# KiCad board jetson-agx-thor-baseboard.kicad_pcb (continued)
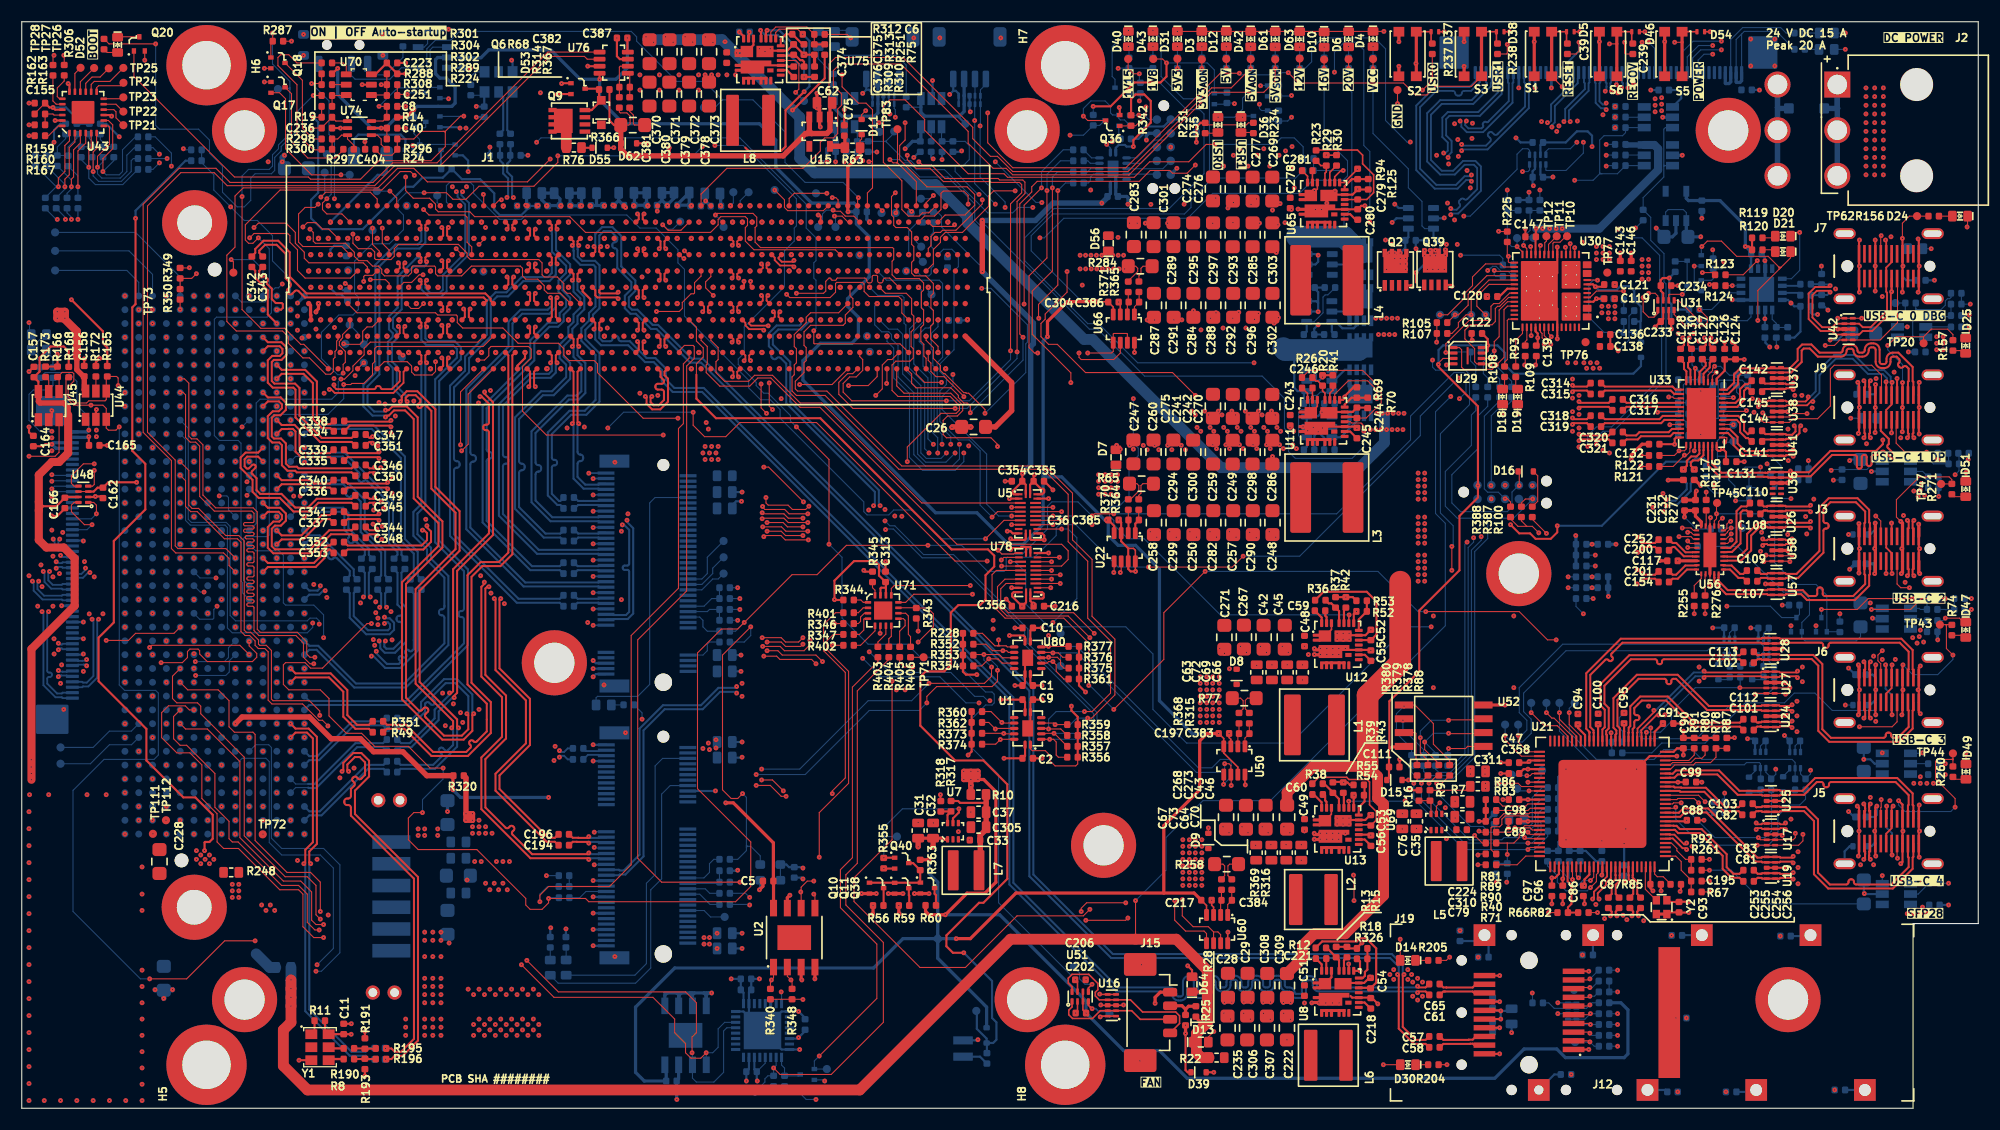
[diagram p0: board, top side]
## Nets (continued)
/Expansion connector/I2C0.SDA: J18.C31 R373.2 U1.12 U2.5
/Expansion connector/I2C7.SCL: J1.E27 J18.D24
/Expansion connector/I2C7.SDA: J1.E26 J18.D23
/Expansion connector/I2C8.SCL: J1.F52 J18.D26
/Expansion connector/I2C8.SDA: J1.F51 J18.D27
/Expansion connector/I2S2.CLK: J1.G4 J18.G06
/Expansion connector/I2S2.FS: J1.E4 J18.G07
/Expansion connector/I2S2.SDIN: J1.F6 J18.G10
/Expansion connector/I2S2.SDOUT: J1.F5 J18.G09
/Expansion connector/I2S3.CLK: J1.H16 J18.G12
/Expansion connector/I2S3.FS: J1.G18 J18.G13 TP74.1
/Expansion connector/I2S3.SDIN: J1.G19 J18.G16
/Expansion connector/I2S3.SDOUT: J1.H17 J18.G15
/Expansion connector/PCIe_{C2x1}.CLK+: J18.Z33 R201.1
/Expansion connector/PCIe_{C2x1}.CLK-: J18.Z32 R202.1
/Expansion connector/PCIe_{C2x1}.RX0+: J1.B21 R351.1
/Expansion connector/PCIe_{C2x1}.RX0-: J1.B20 R49.1
/Expansion connector/PCIe_{C2x1}.TX0+: C213.1 J1.K21
/Expansion connector/PCIe_{C2x1}.TX0-: C214.1 J1.K20
/Expansion connector/PCIe_{C2x1}.~{CLKREQ}: J1.E11 J18.C15
/Expansion connector/PCIe_{C2x1}.~{RST}: J1.D10 J18.C14
/Expansion connector/PCIe_{C3x2}.CLK+: J1.E23 J18.Y23
/Expansion connector/PCIe_{C3x2}.CLK-: J1.E22 J18.Y22
/Expansion connector/PCIe_{C3x2}.RX0+: J1.B12 J18.Y26
/Expansion connector/PCIe_{C3x2}.RX0-: J1.B13 J18.Y27
/Expansion connector/PCIe_{C3x2}.RX1+: J1.D12 J18.Y30
/Expansion connector/PCIe_{C3x2}.RX1-: J1.D13 J18.Y31
/Expansion connector/PCIe_{C3x2}.TX0+: C211.1 J1.K13
/Expansion connector/PCIe_{C3x2}.TX0-: C219.1 J1.K12
/Expansion connector/PCIe_{C3x2}.TX1+: C220.1 J1.H12
/Expansion connector/PCIe_{C3x2}.TX1-: C212.1 J1.H13
/Expansion connector/PCIe_{C3x2}.~{CLKREQ}: J1.G8 J18.C11
/Expansion connector/PCIe_{C3x2}.~{RST}: J1.J9 J18.C10
/Expansion connector/PER0_C2_N: J18.Z29 R351.2
/Expansion connector/PER0_C2_P: J18.Z28 R49.2
/Expansion connector/PET0_C2_N: C214.2 J18.Z36
/Expansion connector/PET0_C2_P: C213.2 J18.Z37
/Expansion connector/PET0_C3_N: C219.2 J18.Y34
/Expansion connector/PET0_C3_P: C211.2 J18.Y35
/Expansion connector/PET1_C3_N: C220.2 J18.Y39
/Expansion connector/PET1_C3_P: C212.2 J18.Y38
/Expansion connector/SPI1.MISO: J1.A56 J18.G21
/Expansion connector/SPI1.MOSI: J1.D55 J18.G22
/Expansion connector/SPI1.SCK: J1.J57 J18.G24
/Expansion connector/SPI1.~{CS0}: J1.E55 J18.G18
/Expansion connector/SPI1.~{CS1}: J1.B56 J18.G19
/Expansion connector/SPI2.MISO: J1.D62 J18.G28
/Expansion connector/SPI2.MOSI: J1.F60 J18.G30
/Expansion connector/SPI2.SCK: J1.E61 J18.G27
/Expansion connector/SPI2.~{CS0}: J1.D60 J18.G25
/Expansion connector/SPI3.MISO: J1.D56 J18.H32
/Expansion connector/SPI3.MOSI: J1.G56 J18.H28
/Expansion connector/SPI3.SCK: J1.F55 J18.H29
/Expansion connector/SPI3.~{CS0}: J1.C57 J18.G31
/Expansion connector/SPI3.~{CS1}: J1.E56 J18.H31
/Expansion connector/UART2.CTS: J1.A57 J18.D09
/Expansion connector/UART2.RTS: J1.G58 J18.D08
/Expansion connector/UART2.RX: J1.C56 J18.D12
/Expansion connector/UART2.TX: J1.C58 J18.D11
/Expansion connector/UART5.CTS: J1.H57 J18.D15
/Expansion connector/UART5.RTS: J1.K58 J18.D14
/Expansion connector/UART5.RX: J1.H58 J18.D18
/Expansion connector/UART5.TX: J1.J58 J18.D17
/I2C_{SYS}.SCL: J18.D21 R71.1 R100.2 R111.1 R122.2 R282.1 R377.2 TP88.1 U14.30 U22.5 U50.5 U54.5 U60.5 U66.5 U66.7 U71.12 U76.5 U80.13
/I2C_{SYS}.SDA: J18.D20 R40.1 R112.1 R121.2 R281.1 R376.2 R387.2 R388.2 TP87.1 U14.29 U22.6 U50.6 U54.6 U60.6 U60.7 U66.6 U71.13 U76.6 U80.12
/M.2/M2_E.W_DIS_1: R264.2 U5.19
/M.2/M2_E.W_DIS_2: R226.2 U5.18
/M.2/M2_E_PET0_N: C196.2 J14.35
/M.2/M2_E_PET0_P: C194.2 J14.37
/M.2/M2_E_SUSCLK: J14.50 R223.1
/M.2/M2_E_W_DIS_1: J14.56 R264.1
/M.2/M2_E_W_DIS_2: J14.54 R226.1
/M.2/M2_M_PET0_N: C185.2 J13.47
/M.2/M2_M_PET0_P: C181.2 J13.49
/M.2/M2_M_PET1_N: C186.2 J13.37
/M.2/M2_M_PET1_P: C182.2 J13.35
/M.2/M2_M_PET2_N: C187.2 J13.25
/M.2/M2_M_PET2_P: C183.2 J13.23
/M.2/M2_M_PET3_N: C188.2 J13.11
/M.2/M2_M_PET3_P: C184.2 J13.13
/M.2/M2_M_SMB_CLK: J13.40 TP38.1
/M.2/M2_M_SMB_DATA: J13.42 TP37.1
/M.2/M2_M_SUSCLK: J13.68 R212.1
/M.2/PCIe_{C1x1}.CLK+: J1.D49 J14.49
/M.2/PCIe_{C1x1}.CLK-: J1.D48 J14.47
/M.2/PCIe_{C1x1}.RX0+: J1.B33 J14.41
/M.2/PCIe_{C1x1}.RX0-: J1.B32 J14.43
/M.2/PCIe_{C1x1}.TX0+: C194.1 J1.G35
/M.2/PCIe_{C1x1}.TX0-: C196.1 J1.G34
/M.2/PCIe_{C1x1}.~{CLKREQ}: J1.B37 R215.1
/M.2/PCIe_{C1x1}.~{RST}: J1.B36 R214.1
/M.2/PCIe_{C5x4}.CLK+: J1.F32 J13.53
/M.2/PCIe_{C5x4}.CLK-: J1.F33 J13.55
/M.2/PCIe_{C5x4}.RX0+: J1.D24 J13.43
/M.2/PCIe_{C5x4}.RX0-: J1.D25 J13.41
/M.2/PCIe_{C5x4}.RX1+: J1.B25 J13.29
/M.2/PCIe_{C5x4}.RX1-: J1.B24 J13.31
/M.2/PCIe_{C5x4}.RX2+: J1.C27 J13.17
/M.2/PCIe_{C5x4}.RX2-: J1.C26 J13.19
/M.2/PCIe_{C5x4}.RX3+: J1.A26 J13.7
/M.2/PCIe_{C5x4}.RX3-: J1.A27 J13.5
/M.2/PCIe_{C5x4}.TX0+: C181.1 J1.H24
/M.2/PCIe_{C5x4}.TX0-: C185.1 J1.H25
/M.2/PCIe_{C5x4}.TX1+: C182.1 J1.K25
/M.2/PCIe_{C5x4}.TX1-: C186.1 J1.K24
/M.2/PCIe_{C5x4}.TX2+: C183.1 J1.G27
/M.2/PCIe_{C5x4}.TX2-: C187.1 J1.G26
/M.2/PCIe_{C5x4}.TX3+: C184.1 J1.J26
/M.2/PCIe_{C5x4}.TX3-: C188.1 J1.J27
/M.2/PCIe_{C5x4}.~{CLKREQ}: J1.L19 R207.1
/M.2/PCIe_{C5x4}.~{RST}: J1.L18 R206.1
/M.2/SUSCLK: R212.2 R223.2 Y3.3
/M.2/USB3.D+: J1.G11 R218.1
/M.2/USB3.D-: J1.G10 R219.1
/M.2/WIFI_BT_USB_D_N: J14.5 R219.2
/M.2/WIFI_BT_USB_D_P: J14.3 R218.2
/M.2/~{CLKREQ_E}: J14.53 R215.2 R220.1
/M.2/~{CLKREQ_M}: J13.52 R207.2 R210.2
/M.2/~{LED_1}: D33.1 J14.6
/M.2/~{LED_2}: D34.1 J14.16
/M.2/~{M2_E_ALERT}: J14.62 TP39.1
/M.2/~{M2_M_ALERT}: J13.44 TP36.1
/M.2/~{PERST_E}: J14.52 R203.1 R214.2
/M.2/~{PERST_M}: J13.50 R206.2 R209.2
/M.2/~{PEWAKE_E}: J14.55 R216.2
/M.2/~{PEWAKE_M}: J13.54 R208.2
/M.2/~{PEWAKE}: J1.A8 Q3.1 R208.1 R216.1 R286.2
/Peripherals/FAN_PWM: J1.K62 TP89.1 U51.5
/Peripherals/FAN_PWM_5V: J15.4 U16.4 U16.7 U51.8
/Peripherals/FAN_TACH: J1.E54 TP90.1 U51.4
/Peripherals/FAN_TACH_5V: J15.3 U16.2 U16.9 U51.1
/Peripherals/FAN_VDD: J15.2 R25.2 R28.2
/Peripherals/GPIO_EXP_IRQ: R343.1 U5.14 U71.11
/Peripherals/GPIOEX_P0_0: R401.1 U71.2
/Peripherals/GPIOEX_P0_1: R346.1 U71.3
/Peripherals/GPIOEX_P0_2: R347.1 U71.4
/Peripherals/GPIOEX_P0_3: R402.1 U71.5
/Peripherals/GPIOEX_P0_4: R403.1 U71.7
/Peripherals/GPIOEX_P0_5: R404.1 U71.8
/Peripherals/GPIOEX_P0_6: R405.1 U71.9
/Peripherals/GPIOEX_P0_7: R406.1 U71.10
/Peripherals/I2C_CONN1_3V3: J16.2 R242.2 TP93.1 U53.1 U67.4 U67.7
/Peripherals/I2C_CONN2_3V3: J17.2 R246.2 TP94.1 U55.1 U68.4 U68.7
/Peripherals/I2C_CONN_PEN: R235.1 R236.2 R243.1 R244.2 R405.2 TP97.1 U53.4 U55.4
/Peripherals/I2C_{CONN}.SCL: J16.4 J17.4 R375.2 U67.1 U67.10 U68.1 U68.10 U80.11
/Peripherals/I2C_{CONN}.SDA: J16.3 J17.3 R361.2 U67.2 U67.9 U68.2 U68.9 U80.10
/Peripherals/TPM_IRQ: R230.1 R404.2 TP96.1 U14.18
/Peripherals/TPM_RST: Q1.1 R403.2 TP95.1
/Power/USBPD1_HV: C38.2 C136.1 C138.1 C265.2 Q5.5 Q24.1 Q24.2 Q24.3 TP76.1 U30.1 U61.1 U63.6
/Power/USBPD2_HV: C143.1 C146.1 C240.2 C266.2 Q23.5 Q25.1 Q25.2 Q25.3 TP77.1 U30.11 U62.1 U64.6
/Recovery USB/USB0.D+: J1.F12 J3.A6 J3.B6 U58.1 U58.10
/Recovery USB/USB0.D-: J1.F13 J3.A7 J3.B7 U58.2 U58.9
/Recovery USB/USBC2_ADDR: R252.1 R253.2 U56.22
/Recovery USB/USBC2_CC1: J3.A5 U56.2 U58.5 U58.6
/Recovery USB/USBC2_CC2: J3.B5 U56.1 U58.4 U58.7
/Recovery USB/USBC2_CONN_TX1_N: C107.1 J3.A2 U57.4 U57.7
/Recovery USB/USBC2_CONN_TX1_P: C109.1 J3.A3 U57.5 U57.6
/Recovery USB/USBC2_CONN_TX2_N: C108.1 J3.B3 U26.4 U26.7
/Recovery USB/USBC2_CONN_TX2_P: C110.1 J3.B2 U26.5 U26.6
/Recovery USB/USBC2_DIR: R255.1 U56.11
/Recovery USB/USBC2_FAULT_N: R256.1 TP46.1 U56.24
/Recovery USB/USBC2_I2C_SCL: R280.2 R282.2 U56.26
/Recovery USB/USBC2_I2C_SDA: R279.2 R281.2 U56.25
/Recovery USB/USBC2_I_MODE: R278.1 U56.3
/Recovery USB/USBC2_ID: Q19.1 R266.2 TP45.1 U56.27 U78.16
/Recovery USB/USBC2_ISET: R270.2 U23.5
/Recovery USB/USBC2_PEN: R339.1 U78.17
/Recovery USB/USBC2_PORT: R254.2 U56.4
/Recovery USB/USBC2_RX1_N: J3.B10 U56.14 U57.1 U57.10
/Recovery USB/USBC2_RX1_P: J3.B11 U56.15 U57.2 U57.9
/Recovery USB/USBC2_RX2_N: J3.A11 U26.1 U26.10 U56.18
/Recovery USB/USBC2_RX2_P: J3.A10 U26.2 U26.9 U56.19
/Recovery USB/USBC2_TX1_N: C107.2 U56.16
/Recovery USB/USBC2_TX1_P: C109.2 U56.17
/Recovery USB/USBC2_TX2_N: C108.2 U56.20
/Recovery USB/USBC2_TX2_P: C110.2 U56.21
/Recovery USB/USBC2_VBUS: C115.1 C116.1 D50.1 J3.A4 J3.A9 J3.B4 J3.B9 Q15.1 R267.2 R271.2 TP47.1 U23.1
/Recovery USB/USBC2_VBUS_DET: Q15.3 R338.2 U78.14
/Recovery USB/USBC2_VBUS_DET_MUX: R267.1 U56.5
/Recovery USB/USBSS0.RX+: C154.1 J1.C34
/Recovery USB/USBSS0.RX-: C201.1 J1.C35
/Recovery USB/USBSS0.TX+: C200.1 J1.K32
/Recovery USB/USBSS0.TX-: C252.1 J1.K33
/Recovery USB/USBSS_RX_N: C154.2 U56.10
/Recovery USB/USBSS_RX_P: C201.2 U56.9
/Recovery USB/USBSS_TX_N: C200.2 U56.7
/Recovery USB/USBSS_TX_P: C252.2 U56.6
/Recovery USB/~{USBC2_EN_CC}: R277.2 U56.29
/Recovery USB/~{USBC2_EN_MUX}: R276.2 U56.12
/Recovery USB/~{USBC2_INT_R}: R283.2 U56.23
/Recovery USB/~{USBC2_INT}: R283.1 U78.15
/SFP/I2C_{SFP}.SCL: R186.1 R360.2 U1.10
/SFP/I2C_{SFP}.SDA: R185.1 R362.2 U1.11
/SFP/MOD_ABS: J1.G6 R187.1
/SFP/SCL_SFP: J12.5 R186.2 U73.2 U73.9
/SFP/SDA_SFP: J12.4 R185.2 U73.1 U73.10
/SFP/SFI.RX+: C61.2 J1.D28
/SFP/SFI.RX-: C65.2 J1.D29
/SFP/SFI.TX+: C57.2 J1.H28
/SFP/SFI.TX-: C58.2 J1.H29
/SFP/SFI_CONN_RX_N: C65.1 J12.12
/SFP/SFI_CONN_RX_P: C61.1 J12.13
/SFP/SFI_CONN_TX_N: C58.1 J12.19
/SFP/SFI_CONN_TX_P: C57.1 J12.18
/SFP/SFP_LEDG: R205.1 U78.19
/SFP/SFP_LEDY: R204.1 U78.20
/SFP/SFP_MOD_ABS: J12.6 R187.2 R197.1 U73.4 U73.7
/SFP/SH: C169.2 C172.2 C173.2 C174.2 C175.2 C176.2 C177.2 C178.2 C179.2 J19.SH R200.2
/SoM_IO2/C2_CLK+: R8.1 Y1.4
/SoM_IO2/C2_CLK-: R190.1 Y1.5
/SoM_IO2/C2_REFCLK+: R8.2 R193.2 R196.1
/SoM_IO2/C2_REFCLK-: R190.2 R191.2 R195.1
/SoM_IO2/DP0.AUX+: C322.2 R117.1 U33.24
/SoM_IO2/DP0.AUX-: C323.2 R116.1 U33.25
/SoM_IO2/DP0.AUX_C+: C322.1 J1.G53
/SoM_IO2/DP0.AUX_C-: C323.1 J1.G54
/SoM_IO2/DP0.HPD: J1.K50 R118.1
/SoM_IO2/DP0.TX0+: C314.1 U33.9
/SoM_IO2/DP0.TX0-: C315.1 U33.10
/SoM_IO2/DP0.TX0_C+: C314.2 J1.D51
/SoM_IO2/DP0.TX0_C-: C315.2 J1.D52
/SoM_IO2/DP0.TX1+: C316.1 U33.12
/SoM_IO2/DP0.TX1-: C317.1 U33.13
/SoM_IO2/DP0.TX1_C+: C316.2 J1.B51
/SoM_IO2/DP0.TX1_C-: C317.2 J1.B52
/SoM_IO2/DP0.TX2+: C318.1 U33.15
/SoM_IO2/DP0.TX2-: C319.1 U33.16
/SoM_IO2/DP0.TX2_C+: C318.2 J1.A51
/SoM_IO2/DP0.TX2_C-: C319.2 J1.A50
/SoM_IO2/DP0.TX3+: C320.1 U33.18
/SoM_IO2/DP0.TX3-: C321.1 U33.19
/SoM_IO2/DP0.TX3_C+: C320.2 J1.C51
/SoM_IO2/DP0.TX3_C-: C321.2 J1.C50
/SoM_IO2/DP1.AUX_C+: C332.1 J1.D16
/SoM_IO2/DP1.AUX_C-: C333.1 J1.D17
/SoM_IO2/DP1.TX0_C+: C324.2 J1.H49
/SoM_IO2/DP1.TX0_C-: C328.2 J1.H48
/SoM_IO2/DP1.TX1_C+: C325.2 J1.G51
/SoM_IO2/DP1.TX1_C-: C329.2 J1.G50
/SoM_IO2/DP1.TX2_C+: C326.2 J1.J47
/SoM_IO2/DP1.TX2_C-: C330.2 J1.J48
/SoM_IO2/DP1.TX3_C+: C327.2 J1.K46
/SoM_IO2/DP1.TX3_C-: C331.2 J1.K47
/SoM_IO2/DP2.AUX_C+: C342.1 J1.E19
/SoM_IO2/DP2.AUX_C-: C343.1 J1.E18
/SoM_IO2/DP2.TX0_C+: C334.2 J1.A15
/SoM_IO2/DP2.TX0_C-: C338.2 J1.A14
/SoM_IO2/DP2.TX1_C+: C335.2 J1.J14
/SoM_IO2/DP2.TX1_C-: C339.2 J1.J15
/SoM_IO2/DP2.TX2_C+: C336.2 J1.C15
/SoM_IO2/DP2.TX2_C-: C340.2 J1.C14
/SoM_IO2/DP2.TX3_C+: C337.2 J1.G15
/SoM_IO2/DP2.TX3_C-: C341.2 J1.G14
/SoM_IO2/DP3.AUX_C+: C352.1 J1.F20
/SoM_IO2/DP3.AUX_C-: C353.1 J1.F21
/SoM_IO2/DP3.TX0_C+: C344.2 J1.D33
/SoM_IO2/DP3.TX0_C-: C348.2 J1.D32
/SoM_IO2/DP3.TX1_C+: C345.2 J1.J35
/SoM_IO2/DP3.TX1_C-: C349.2 J1.J34
/SoM_IO2/DP3.TX2_C+: C346.2 J1.A34
/SoM_IO2/DP3.TX2_C-: C350.2 J1.A35
/SoM_IO2/DP3.TX3_C+: C347.2 J1.H32
/SoM_IO2/DP3.TX3_C-: C351.2 J1.H33
/SoM_IO2/JTAG_TCK: J1.A60 R292.2
/SoM_IO2/JTAG_TDI: J1.B60 R293.2
/SoM_IO2/JTAG_TDO: J1.D58 R295.2
/SoM_IO2/JTAG_TMS: J1.E58 R294.2
/SoM_IO2/JTAG_TRST_N: J1.G61 Q28.3 R285.1
/SoM_IO2/NVDBG_SEL: J1.G60 R291.2
/SoM_IO2/NVJTAG_SEL: J1.H59 R290.2
/SoM_IO2/PCIe_{C2x1}R_CLK+: J1.E15 R196.2 R201.2
/SoM_IO2/PCIe_{C2x1}R_CLK-: J1.E14 R195.2 R202.2
/SoM_IO2/SFI_CLK+: R2.1 Y5.4
/SoM_IO2/SFI_CLK-: R3.1 Y5.5
/SoM_IO2/SFI_REFCLK+: J1.F29 R2.2 R5.2
/SoM_IO2/SFI_REFCLK-: J1.F28 R3.2 R4.2
/SoM_IO2/TC_JTAG_TCK: J20.4 U59.4
/SoM_IO2/TC_JTAG_TDI: J20.8 U59.3
/SoM_IO2/TC_JTAG_TDO: J20.6 U59.5
/SoM_IO2/TC_JTAG_TMS: J20.2 U59.2
/SoM_IO2/TC_JTAG_TRST_N: J20.10 Q36.1 R342.1
/SoM_IO2/TC_VCC: C237.2 J20.1 R341.1 R342.2 U59.1
/SoM_IO2/USB1.D+: J1.C11 J9.A6 J9.B6 U38.2 U38.9
/SoM_IO2/USB1.D-: J1.C10 J9.A7 J9.B7 U38.1 U38.10
/SoM_IO2/USB2.D+: J1.A10 U21.89
/SoM_IO2/USB2.D-: J1.A11 U21.90
/SoM_IO2/USBSS1.RX+: C127.1 J1.A22
/SoM_IO2/USBSS1.RX-: C129.1 J1.A23
/SoM_IO2/USBSS1.TX+: C130.1 J1.J22
/SoM_IO2/USBSS1.TX-: C128.1 J1.J23
/SoM_IO2/USBSS2.RX+: C253.1 J1.C23
/SoM_IO2/USBSS2.RX-: C255.1 J1.C22
/SoM_IO2/USBSS2.TX+: C254.1 J1.G23
/SoM_IO2/USBSS2.TX-: C256.1 J1.G22
/SoM_IO/GPIO_EXP_IRQ_1V8: J1.E5 U5.8
/SoM_IO/I2C0_SCL_1V8: J1.J52 R357.2 U1.3
/SoM_IO/I2C0_SDA_1V8: J1.J53 R356.2 U1.2
/SoM_IO/I2C1_SCL_1V8: J1.K5 TP103.1
/SoM_IO/I2C1_SDA_1V8: J1.L8 TP104.1
/SoM_IO/I2C2_SCL_1V8: J1.J61 R228.2 U80.2
/SoM_IO/I2C2_SDA_1V8: J1.K61 R352.2 U80.3
/SoM_IO/I2C3_SCL_1V8: J1.F53 R359.2 U1.5
/SoM_IO/I2C3_SDA_1V8: J1.E53 R358.2 U1.4
/SoM_IO/I2C5_SCL_1V8: J1.A53 R353.2 U80.4
/SoM_IO/I2C5_SDA_1V8: J1.C53 R354.2 U80.5
/SoM_IO/I2S_{M.2}.CLK: J1.L14 TP99.1
/SoM_IO/I2S_{M.2}.FS: J1.D8 TP100.1
/SoM_IO/I2S_{M.2}.SDIN: J1.H8 TP102.1
/SoM_IO/I2S_{M.2}.SDOUT: J1.C7 TP101.1
/SoM_IO/M2_E_W_DIS_1_1V8: J1.C39 U5.3
/SoM_IO/M2_E_W_DIS_2_1V8: J1.A58 U5.4
/SoM_IO/SFP_LEDG_1V8: J1.F56 U78.3
/SoM_IO/SFP_LEDY_1V8: J1.A18 U78.2
/SoM_IO/UART1.CTS: J1.H54 TP106.1
/SoM_IO/UART1.RTS: J1.L51 TP105.1
/SoM_IO/UART1.RX: J1.K54 TP108.1
/SoM_IO/UART1.TX: J1.K53 TP107.1
/SoM_IO/UART3_DEBUG.RX: R124.1 U5.16
/SoM_IO/UART3_DEBUG.TX: R123.1 U5.17
/SoM_IO/UART3_DEBUG_RX_1V8: J1.K60 U5.6
/SoM_IO/UART3_DEBUG_TX_1V8: J1.H62 U5.5
/SoM_IO/USBC1_FLG: R127.1 U5.15 U35.3
/SoM_IO/USBC1_FLG_1V8: J1.L15 U5.7
/SoM_IO/USBC2_ID_1V8: J1.F10 U78.6
/SoM_IO/USBC2_PEN_1V8: J1.F9 U78.5
/SoM_IO/USBC2_VBUS_DET_1V8: J1.J6 U78.8
/SoM_IO/~{PDC_I2C1_IRQ}: R110.1 U78.13
/SoM_IO/~{PDC_I2C1_IRQ}_1V8: J1.J7 U78.9
/SoM_IO/~{USBC2_INT}_1V8: J1.C38 U78.7
/SoM_Power/MODULE_POWER_ON: C8.2 J1.L54 R14.1 TP79.1 U74.6
/SoM_Power/~{FORCE_RECOVERY}: C239.2 D46.2 J1.L10 S6.1 S6.2 TP81.1
/SoM_Power/~{FORCE_SHDN}: R297.2 R298.2 R300.1 U74.3
/SoM_Power/~{MOD_SLEEP}: J1.J60 TP55.1
/SoM_Power/~{MODULE_SHDN}: J1.L52 Q17.2 TP82.1
/SoM_Power/~{SLEEP_REQ}: J1.L11 TP54.1
/SoM_Power/~{SOM_POWER_BTN}: J1.L61 R302.2 R304.1 TP80.1
/SoM_Power/~{SOM_PRSNT}: J1.A3 Q18.1 R287.1 TP84.1
/SoM_Power/~{SYS_RESET}: C39.2 D5.2 J1.L60 S1.3 S1.4 TP83.1
/USB Debug, PD/DEBUG_SCL: R103.2 R111.2 TP92.1 U30.27 U31.1
/USB Debug, PD/DEBUG_SDA: R104.2 R112.2 TP91.1 U30.28 U31.8
/USB Debug, PD/FTDI_3V3: C44.1 C133.1 C134.1 C135.2 C233.1 C234.1 R113.2 R114.2 R115.2 R119.2 R120.2 R145.1 U31.3 U31.7 U32.5 U34.1 U34.8 U34.10
/USB Debug, PD/FTDI_CBUS0/SDA: R114.1 U31.5 U34.12
/USB Debug, PD/FTDI_CBUS3/SCL: R113.1 U31.4 U34.14
/USB Debug, PD/FTDI_CBUS_EN: Q3.3 Q12.3 R115.1 U31.6
/USB Debug, PD/FTDI_LED_RX: D21.1 Q12.1 U34.11
/USB Debug, PD/FTDI_LED_TX: D20.1 U34.5
/USB Debug, PD/MISO: J4.6 R384.1 R386.1 R387.1
/USB Debug, PD/MOSI: J4.8 R101.1 R382.1 R388.1
/USB Debug, PD/PDC_ADCIN1: R31.2 R95.2 U30.6
/USB Debug, PD/PDC_ADCIN2: R96.2 R97.2 U30.10
/USB Debug, PD/PDC_GPIO14: R108.1 U30.42
/USB Debug, PD/PDC_GPIO15: R109.1 U30.43
/USB Debug, PD/PDC_HPD2: R106.2 U30.31
/USB Debug, PD/PDC_I2C1_IRQn: R110.2 R225.2 U30.29
/USB Debug, PD/PDC_I2C2_IRQn: TP13.1 U30.34
/USB Debug, PD/PDC_I2C2_SCL: R105.2 TP14.1 U30.32
/USB Debug, PD/PDC_I2C2_SDA: R107.2 TP15.1 U30.33
/USB Debug, PD/PDC_I2C3_SCL: TP10.1 U30.21
/USB Debug, PD/PDC_I2C3_SDA: TP11.1 U30.22
/USB Debug, PD/PDC_LDO_1V8: C120.2 U30.35
/USB Debug, PD/PDC_LDO_3V3: C121.2 D17.2 R95.1 R96.1 U30.9
/USB Debug, PD/PDC_MISO: R98.1 R384.2 U29.2 U30.36
/USB Debug, PD/PDC_MOSI: R382.2 U29.5 U30.37
/USB Debug, PD/PDC_RESET: R93.2 U30.44
/USB Debug, PD/PDC_SCLK: R383.2 U29.6 U30.38
/USB Debug, PD/SCK: D16.1 J4.4 R383.1 R385.1
/USB Debug, PD/SPI_{HUB_DEBUG}.MISO: R88.2 R386.2 U52.5
/USB Debug, PD/SPI_{HUB_DEBUG}.MOSI: R101.2 R378.2 U52.2
/USB Debug, PD/SPI_{HUB_DEBUG}.SCK: R89.2 R385.2 U52.6
/USB Debug, PD/SPI_{HUB_DEBUG}.~{CS0}: R90.2 R99.2 U52.1
/USB Debug, PD/USB_FTDI_N: R148.1 U34.7
/USB Debug, PD/USB_FTDI_P: R147.1 U34.6
/USB Debug, PD/USBC0_5V_PEN: R149.1 R151.1 U30.48
/USB Debug, PD/USBC0_CC1: J7.A5 U30.24 U42.1 U42.10
/USB Debug, PD/USBC0_CC2: J7.B5 U30.26 U42.5 U42.6
/USB Debug, PD/USBC0_D_N: C149.2 J7.A7 J7.B7 R148.2 U42.2 U42.9
/USB Debug, PD/USBC0_D_P: C150.1 J7.A6 J7.B6 R147.2 U42.4 U42.7
/USB Debug, PD/USBC0_FLG: R150.1 TP19.1 U40.3
/USB Debug, PD/USBC0_ISET: R153.2 U40.5
/USB Debug, PD/USBC0_VBUS: C123.1 C151.1 C152.1 D23.1 J7.A4 J7.A9 J7.B4 J7.B9 R156.2 TP62.1 U30.13 U32.1 U32.3 U40.1
/USB Debug, PD/~{CS}: J4.2 R99.1 R381.1
/USB Debug, PD/~{PDC_CS}: R381.2 U29.1 U30.39
/USB Debug, PD/~{PDC_I2C3_IRQ}: TP12.1 U30.23
/USB DP Alt mode/HPDIN: Q34.1 R227.2 R272.1 TP17.1 U33.32
/USB DP Alt mode/USBC1_5V_PEN: R142.1 R143.1 U30.49
/USB DP Alt mode/USBC1_CC1: J9.A5 U30.45 U38.5 U38.6
/USB DP Alt mode/USBC1_CC2: J9.B5 U30.47 U38.4 U38.7
/USB DP Alt mode/USBC1_CONN_TX1_N: C144.2 J9.A3 U41.5 U41.6
/USB DP Alt mode/USBC1_CONN_TX1_P: C141.2 J9.A2 U41.4 U41.7
/USB DP Alt mode/USBC1_CONN_TX2_N: C145.2 J9.B3 U37.1 U37.10
/USB DP Alt mode/USBC1_CONN_TX2_P: C142.2 J9.B2 U37.2 U37.9
/USB DP Alt mode/USBC1_CTL0: R121.1 U30.17 U33.22
/USB DP Alt mode/USBC1_CTL1: U30.18 U33.23
/USB DP Alt mode/USBC1_DPEQ0: R134.1 R135.1 U33.14
/USB DP Alt mode/USBC1_DPEQ1: R136.1 R137.1 U33.2
/USB DP Alt mode/USBC1_EQ0: R138.1 R139.1 U33.38
/USB DP Alt mode/USBC1_EQ1: R140.1 R141.1 U33.35
/USB DP Alt mode/USBC1_FLIP: R122.1 U30.16 U33.21
/USB DP Alt mode/USBC1_I2C_EN: R128.1 R129.1 U33.17
/USB DP Alt mode/USBC1_RX1_N: J9.B10 U33.31 U41.2 U41.9
/USB DP Alt mode/USBC1_RX1_P: J9.B11 U33.30 U41.1 U41.10
/USB DP Alt mode/USBC1_RX2_N: J9.A10 U33.39 U37.4 U37.7
/USB DP Alt mode/USBC1_RX2_P: J9.A11 U33.40 U37.5 U37.6
/USB DP Alt mode/USBC1_SBU_N: J9.A8 R154.1 U33.27 U36.1 U36.10
/USB DP Alt mode/USBC1_SBU_P: J9.B8 R155.1 U33.26 U36.2 U36.9
/USB DP Alt mode/USBC1_SSEQ0: R130.1 R131.1 U33.11
/USB DP Alt mode/USBC1_SSEQ1: R132.1 R133.1 U33.3
/USB DP Alt mode/USBC1_TX1_N: C144.1 U33.34
/USB DP Alt mode/USBC1_TX1_P: C141.1 U33.33
/USB DP Alt mode/USBC1_TX2_N: C145.1 U33.36
/USB DP Alt mode/USBC1_TX2_P: C142.1 U33.37
/USB DP Alt mode/USBC1_VBUS: C68.1 C153.1 D22.1 J9.A4 J9.A9 J9.B4 J9.B9 R157.2 TP20.1 U30.3 U35.1
/USB DP Alt mode/USBC_HPD: R106.1 R227.1
/USB DP Alt mode/USBSS1_RX_C_N: C129.2 U33.4
/USB DP Alt mode/USBSS1_RX_C_P: C127.2 U33.5
/USB DP Alt mode/USBSS1_TX_C_N: C130.2 U33.7
/USB DP Alt mode/USBSS1_TX_C_P: C128.2 U33.8
/USB Hub/CFG_STRAP1: R78.2 R87.1 U21.21
/USB Hub/CFG_STRAP2: R80.2 U21.22
/USB Hub/CFG_STRAP3: R91.2 U21.23
/USB Hub/DP1_DISCH: TP66.1 U21.46
/USB Hub/DP1_VCONN1: Q27.2 R334.1 TP67.1 U21.43
/USB Hub/DP1_VCONN2: Q29.2 R335.1 TP68.1 U21.44
/USB Hub/DP2_DISCH: TP65.1 U21.45
/USB Hub/DP2_VCONN1: Q21.2 R328.1 TP69.1 U21.51
/USB Hub/DP2_VCONN2: Q26.2 R329.1 TP70.1 U21.52
/USB Hub/HUB_SPI_CE_N: R90.1 R321.1 R322.2 U21.69
/USB Hub/HUB_SPI_CLK: R89.1 R325.2 U21.68
/USB Hub/HUB_SPI_D0: R88.1 R323.1 R324.2 U21.70
/USB Hub/HUB_SPI_D1: R327.2 R378.1 U21.71
/USB Hub/HUB_SPI_D2: R239.2 R379.1 U21.72
/USB Hub/HUB_SPI_D3: R194.2 R380.1 U21.73
/USB Hub/HUB_~{HOLD}: R380.2 U52.7
/USB Hub/HUB_~{WP}: R379.2 U52.3
/USB Hub/PRT_CTL1: TP1.1 U20.3 U20.4 U21.60
/USB Hub/PRT_CTL2: TP2.1 U18.3 U18.4 U21.58
/USB Hub/PRT_CTL3: TP6.1 U21.56
/USB Hub/PRT_CTL4: TP40.1 U21.59
/USB Hub/TEST1: R86.2 U21.63
/USB Hub/TEST2: R83.2 U21.64
/USB Hub/TEST3: R81.2 U21.65
/USB Hub/USBC3_CC_{1}: J6.A5 R330.2 U21.27 U28.5 U28.6
/USB Hub/USBC3_CC_{2}: J6.B5 R331.2 U21.28 U28.4 U28.7
/USB Hub/USBC3_CONN_TX1_N: C101.1 J6.A3 U24.1 U24.10
/USB Hub/USBC3_CONN_TX1_P: C112.1 J6.A2 U24.2 U24.9
/USB Hub/USBC3_CONN_TX2_N: C102.1 J6.B2 U27.1 U27.10
/USB Hub/USBC3_CONN_TX2_P: C113.1 J6.B3 U27.2 U27.9
/USB Hub/USBC3_D+: J6.A6 J6.B6 U21.29 U28.2 U28.9
/USB Hub/USBC3_D-: J6.A7 J6.B7 U21.30 U28.1 U28.10
/USB Hub/USBC3_ISET: R73.2 U18.5
/USB Hub/USBC3_RX_{1}+: J6.B10 U21.34 U24.4 U24.7
/USB Hub/USBC3_RX_{1}-: J6.B11 U21.35 U24.5 U24.6
/USB Hub/USBC3_RX_{2}+: J6.A10 U21.40 U27.4 U27.7
/USB Hub/USBC3_RX_{2}-: J6.A11 U21.41 U27.5 U27.6
/USB Hub/USBC3_TX_{1}+: C101.2 U21.31
/USB Hub/USBC3_TX_{1}-: C112.2 U21.32
/USB Hub/USBC3_TX_{2}+: C102.2 U21.37
/USB Hub/USBC3_TX_{2}-: C113.2 U21.38
/USB Hub/USBC3_VBUS: C78.1 C80.1 D45.1 J6.A4 J6.A9 J6.B4 J6.B9 R74.2 R263.2 TP43.1 U18.1
/USB Hub/USBC3_VBUS_MON: R262.2 R263.1 U21.36
/USB Hub/USBC4_CC_{1}: J5.A5 R336.2 U21.12 U25.5 U25.6
/USB Hub/USBC4_CC_{2}: J5.B5 R337.2 U21.13 U25.4 U25.7
/USB Hub/USBC4_CONN_TX1_N: C83.1 J5.A3 U19.2 U19.9
/USB Hub/USBC4_CONN_TX1_P: C81.1 J5.A2 U19.1 U19.10
/USB Hub/USBC4_CONN_TX2_N: C103.1 J5.B3 U17.2 U17.9
/USB Hub/USBC4_CONN_TX2_P: C82.1 J5.B2 U17.1 U17.10
/USB Hub/USBC4_D+: J5.A6 J5.B6 U21.5 U25.1 U25.10
/USB Hub/USBC4_D-: J5.A7 J5.B7 U21.6 U25.2 U25.9
/USB Hub/USBC4_ISET: R259.2 U20.5
/USB Hub/USBC4_RX_{1}+: J5.B10 U19.4 U19.7 U21.10
/USB Hub/USBC4_RX_{1}-: J5.B11 U19.5 U19.6 U21.11
/USB Hub/USBC4_RX_{2}+: J5.A10 U17.4 U17.7 U21.19
/USB Hub/USBC4_RX_{2}-: J5.A11 U17.5 U17.6 U21.20
/USB Hub/USBC4_TX_{1}+: C81.2 U21.7
/USB Hub/USBC4_TX_{1}-: C83.2 U21.8
/USB Hub/USBC4_TX_{2}+: C82.2 U21.16
/USB Hub/USBC4_TX_{2}-: C103.2 U21.17
/USB Hub/USBC4_VBUS: C105.1 C106.1 D48.1 J5.A4 J5.A9 J5.B4 J5.B9 R260.2 R261.2 TP44.1 U20.1
/USB Hub/USBC4_VBUS_MON: R92.2 R261.1 U21.4
/USB Hub/USBSS_RX_N: C256.2 U21.95
/USB Hub/USBSS_RX_P: C254.2 U21.94
/USB Hub/USBSS_TX_N: C255.2 U21.92
/USB Hub/USBSS_TX_P: C253.2 U21.91
/USB Hub/~{RESET}: C195.2 R67.2 U21.1
FLASH_PWR: C111.2 C122.2 D15.1 D17.1 J4.1 R98.2 U29.3 U29.7 U29.8 U52.8
SYS_VIN_HV: C26.2 C27.2 C84.2 C359.2 C365.2 C366.2 D7.1 J1.B3 J1.B63 J1.C1 J1.C2 J1.C63 J1.C64 J1.C65 J1.D1 J1.D2 J1.D3 J1.D64 J1.D65 J1.E1 J1.E2 J1.E63 J1.E64 J1.E65 J1.F1 J1.F2 J1.F3 J1.F63 J1.F64 J1.F65 J1.G1 J1.G2 J1.G63 J1.G64 J1.G65 J1.H1 J1.H2 J1.H3 J1.H64 J1.H65 J1.J1 J1.J2 J1.J63 J1.J64 J1.J65 J1.K3 R51.2 R65.2 R102.2 R370.2 TP5.1
Net-(BT1-+): BT1.1 R6.1
Net-(D1-C): D1.1 J1.D37 R6.2 TP78.1
Net-(D3-A): D3.2 R32.1
Net-(D4-A): D4.2 R27.1
Net-(D6-A): D6.2 R17.1
Net-(D10-A): D10.2 R51.1
Net-(D12-A): D12.2 R64.1
Net-(D14-C): D14.1 R205.2
Net-(D16-A): D16.2 R100.1
Net-(D18-A): D18.2 R108.2
Net-(D19-A): D19.2 R109.2
Net-(D20-A): D20.2 R119.1
Net-(D21-A): D21.2 R120.1
Net-(D24-A): D24.2 R156.1
Net-(D25-A): D25.2 R157.1
Net-(D26-A): D26.2 R177.1
Net-(D27-A): D27.2 R178.1
Net-(D28-A): D28.2 R182.1
Net-(D29-A): D29.2 R183.1
Net-(D30-C): D30.1 R204.2
Net-(D31-A): D31.2 R79.1
Net-(D32-A): D32.2 R211.1
Net-(D32-C): D32.1 J13.10
Net-(D33-A): D33.2 R221.1
Net-(D34-A): D34.2 R222.1
Net-(D35-A): D35.2 R231.1
Net-(D35-C): D35.1 Q13.3
Net-(D36-A): D36.2 R234.1
Net-(D36-C): D36.1 Q14.3
Net-(D40-A): D40.2 R240.1
Net-(D40-C): D40.1 Q4.3
Net-(D41-A): D41.2 R242.1
Net-(D42-A): D42.2 R35.1
Net-(D43-A): D43.2 R257.1
Net-(D43-C): D43.1 Q16.3
Net-(D44-A): D44.2 R246.1
Net-(D47-A): D47.2 R74.1
Net-(D49-A): D49.2 R260.1
Net-(D51-A): D51.2 R271.1
Net-(D52-A): D52.2 R306.1
Net-(D52-C): D52.1 Q20.3
Net-(D53-A): D53.2 Q6.3 Q9.4 R68.1
Net-(D54-A): C251.2 D54.2 R288.1 R308.2 S5.3 S5.4 U70.1
Net-(D57-A): D57.2 Q21.3
Net-(D57-C): D57.1 R330.1
Net-(D58-A): D58.2 Q26.3
Net-(D58-C): D58.1 R331.1
Net-(D59-A): D59.2 Q27.3
Net-(D59-C): D59.1 R336.1
Net-(D60-A): D60.2 Q29.3
Net-(D60-C): D60.1 R337.1
Net-(D61-A): D61.2 R61.1
Net-(D63-A): D63.2 R372.1
Net-(J1A-FSI_GPIO03): J1.K37 TP56.1
Net-(J1A-GPIO30): J1.B55 TP59.1
Net-(J1A-GPIO31): J1.H60 TP34.1
Net-(J1A-GPIO39): J1.C55 TP33.1
Net-(J1A-GPIO56): J1.G5 TP58.1
Net-(J1A-MODULE_POWER_GOOD): J1.L59 TP60.1
Net-(J1A-MV_LSW_MON): J1.L42 TP31.1
Net-(J1A-PERIPHERAL_RESET_N): J1.L58 TP48.1
Net-(J1A-POWER_INT_N): J1.B10 TP35.1
Net-(J1A-SYSTEM_OC_N): J1.A61 TP51.1
Net-(J1A-THERM_ALERT_N): J1.L56 TP50.1
Net-(J1A-THERM_SHDN_REQ_N): J1.G59 TP8.1
Net-(J1A-UFS0_REF_CLK): J1.A6 TP52.1
Net-(J1A-UFS0_RST_N): J1.C6 TP53.1
Net-(J1A-VCOMP_ALERT_N): J1.F61 TP49.1
Net-(J1A-VM_INT_N): J1.L47 TP32.1
Net-(J1A-VM_SLEEP_N): J1.L41 TP57.1
Net-(J10-Pad39): J10.39 R395.2
Net-(J10-Pad40): J10.40 R396.2
Net-(J10-Pad41): J10.41 R397.2
Net-(J10-Pad42): J10.42 R398.2
Net-(J11-Pad39): J11.39 R181.1
Net-(J11-Pad40): J11.40 R184.1
Net-(J11-Pad41): J11.41 R399.1
Net-(J11-Pad42): J11.42 R400.1
Net-(J12-RS0): J12.7 R188.1
Net-(J12-RS1): J12.9 R199.2
Net-(J12-RX_{LOS}): J12.8 R192.1 TP29.1
Net-(J12-TX_{DISABLE}): J12.3 R198.2
Net-(J12-TX_{FAULT}): J12.2 R189.1 TP30.1
Net-(J18-PadB01): J18.B01 TP73.1
Net-(J18-PadB40): J18.B40 TP72.1
Net-(J18-PadH01): J18.H01 TP109.1
Net-(J18-PadH02): J18.H02 R350.1
Net-(J18-PadJ39): J18.J39 TP112.1
Net-(J18-PadK01): J18.K01 TP110.1
Net-(J18-PadK40): J18.K40 TP111.1
Net-(J18-PadL01): J18.L01 TP113.1
Net-(J18-PadL32): J18.L32 TP114.1
Net-(J18-PadL33): J18.L33 TP115.1
Net-(Q1-D): Q1.3 R232.1 U14.17
Net-(Q2-G): Q2.4 Q39.4 U6.5
Net-(Q5-G): Q5.4 U61.5
Net-(Q8-D): Q8.3 R102.1
Net-(Q9-D): Q9.5 R76.1
Net-(Q10-D): Q10.3 R56.1
Net-(Q10-G): Q10.1 Q11.1 Q38.1 Q40.3 R363.1
Net-(Q11-D): Q11.3 R59.1
Net-(Q17-D): Q17.3 R297.1
Net-(Q18-D): Q18.3 R298.1
Net-(Q19-D): Q19.3 R268.1 R269.1 U23.4
Net-(Q21-D1): Q21.5 Q21.6 R299.2
Net-(Q22-D): C251.1 Q22.3 R308.1
